# Altium PCB Gateway.PcbDoc (part 1 of 2)
Units mm, origin at the board's own origin, x right, y up, seen from the top; angles counter-clockwise.
Board outline 102.62 x 76.07 mm, 2 copper layers (Top Layer, Bottom Layer); 111 components, 97 nets, 483 pads, 101 vias.
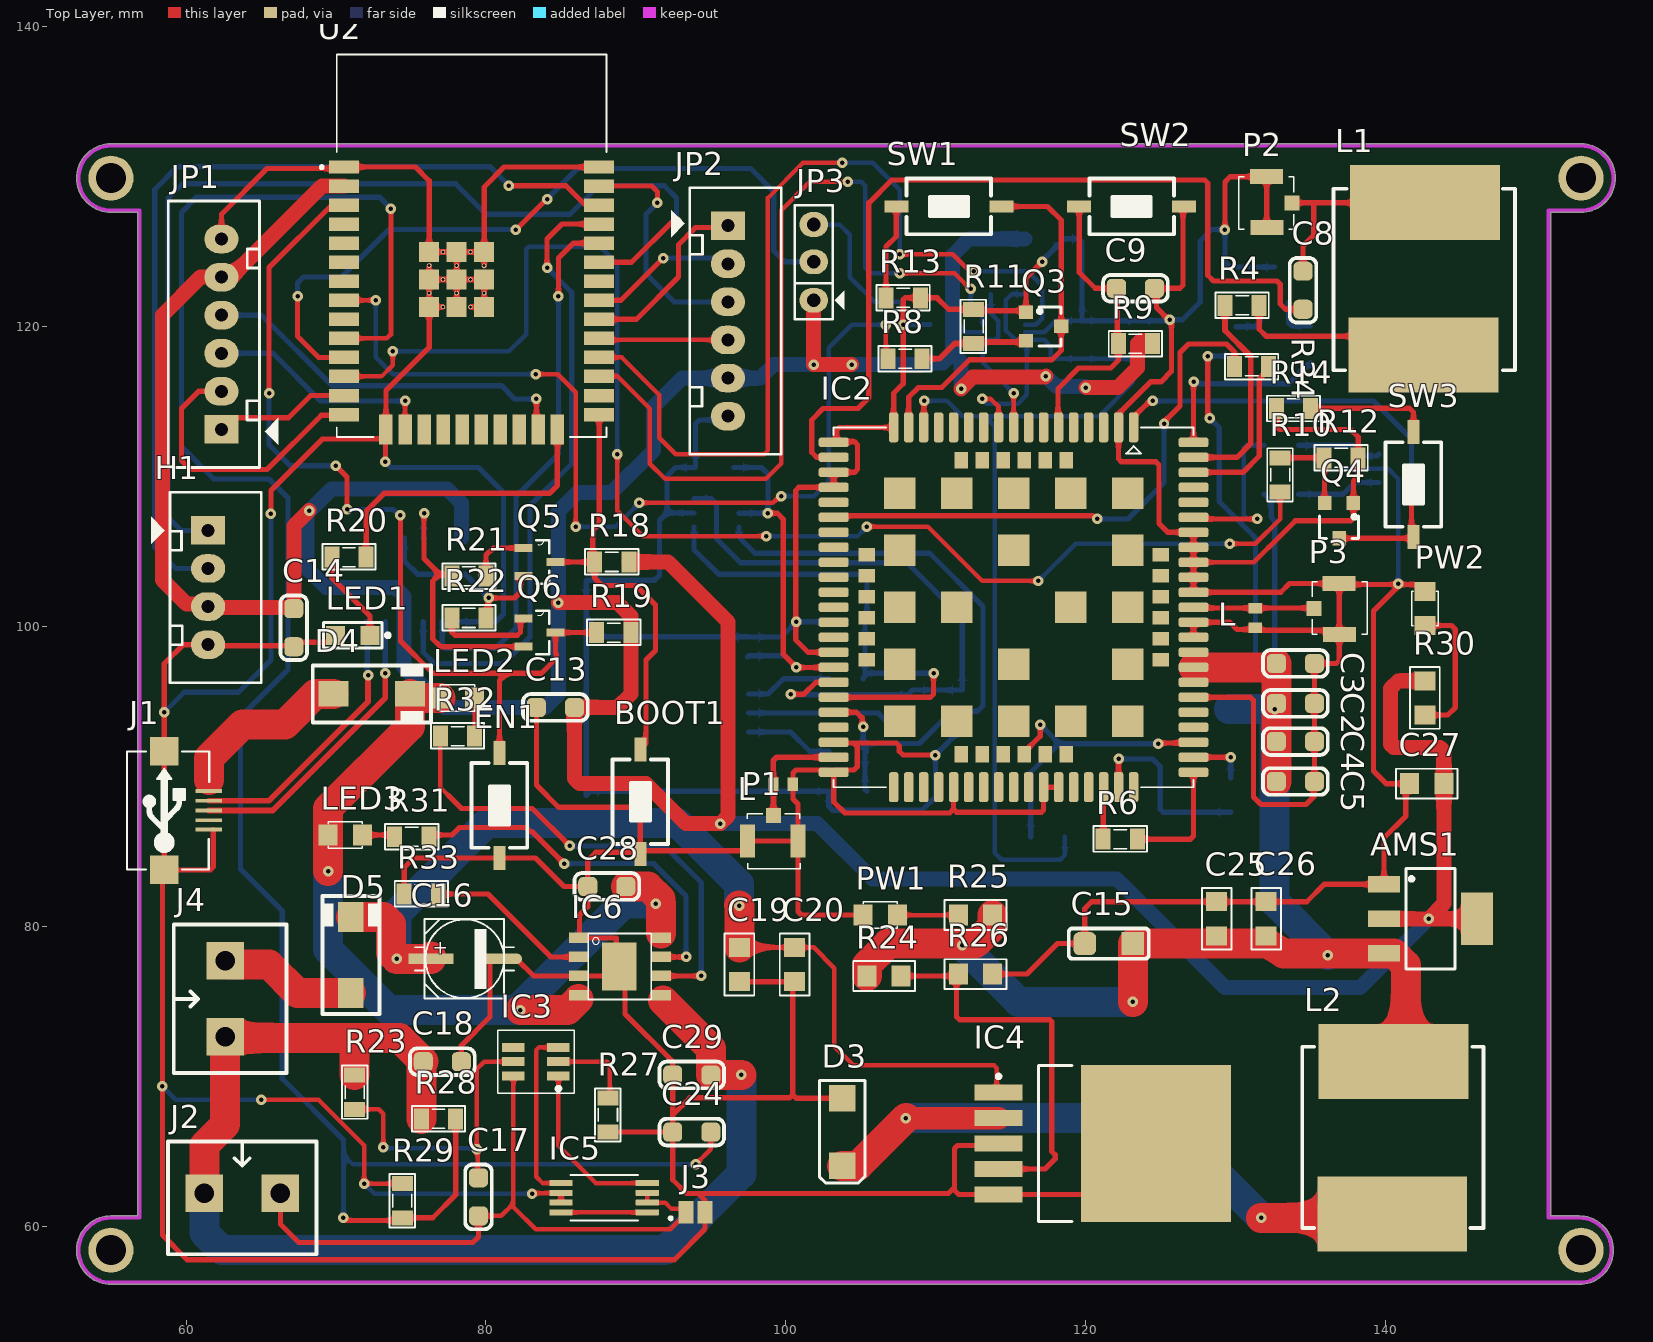
[diagram p0: Top Layer view]
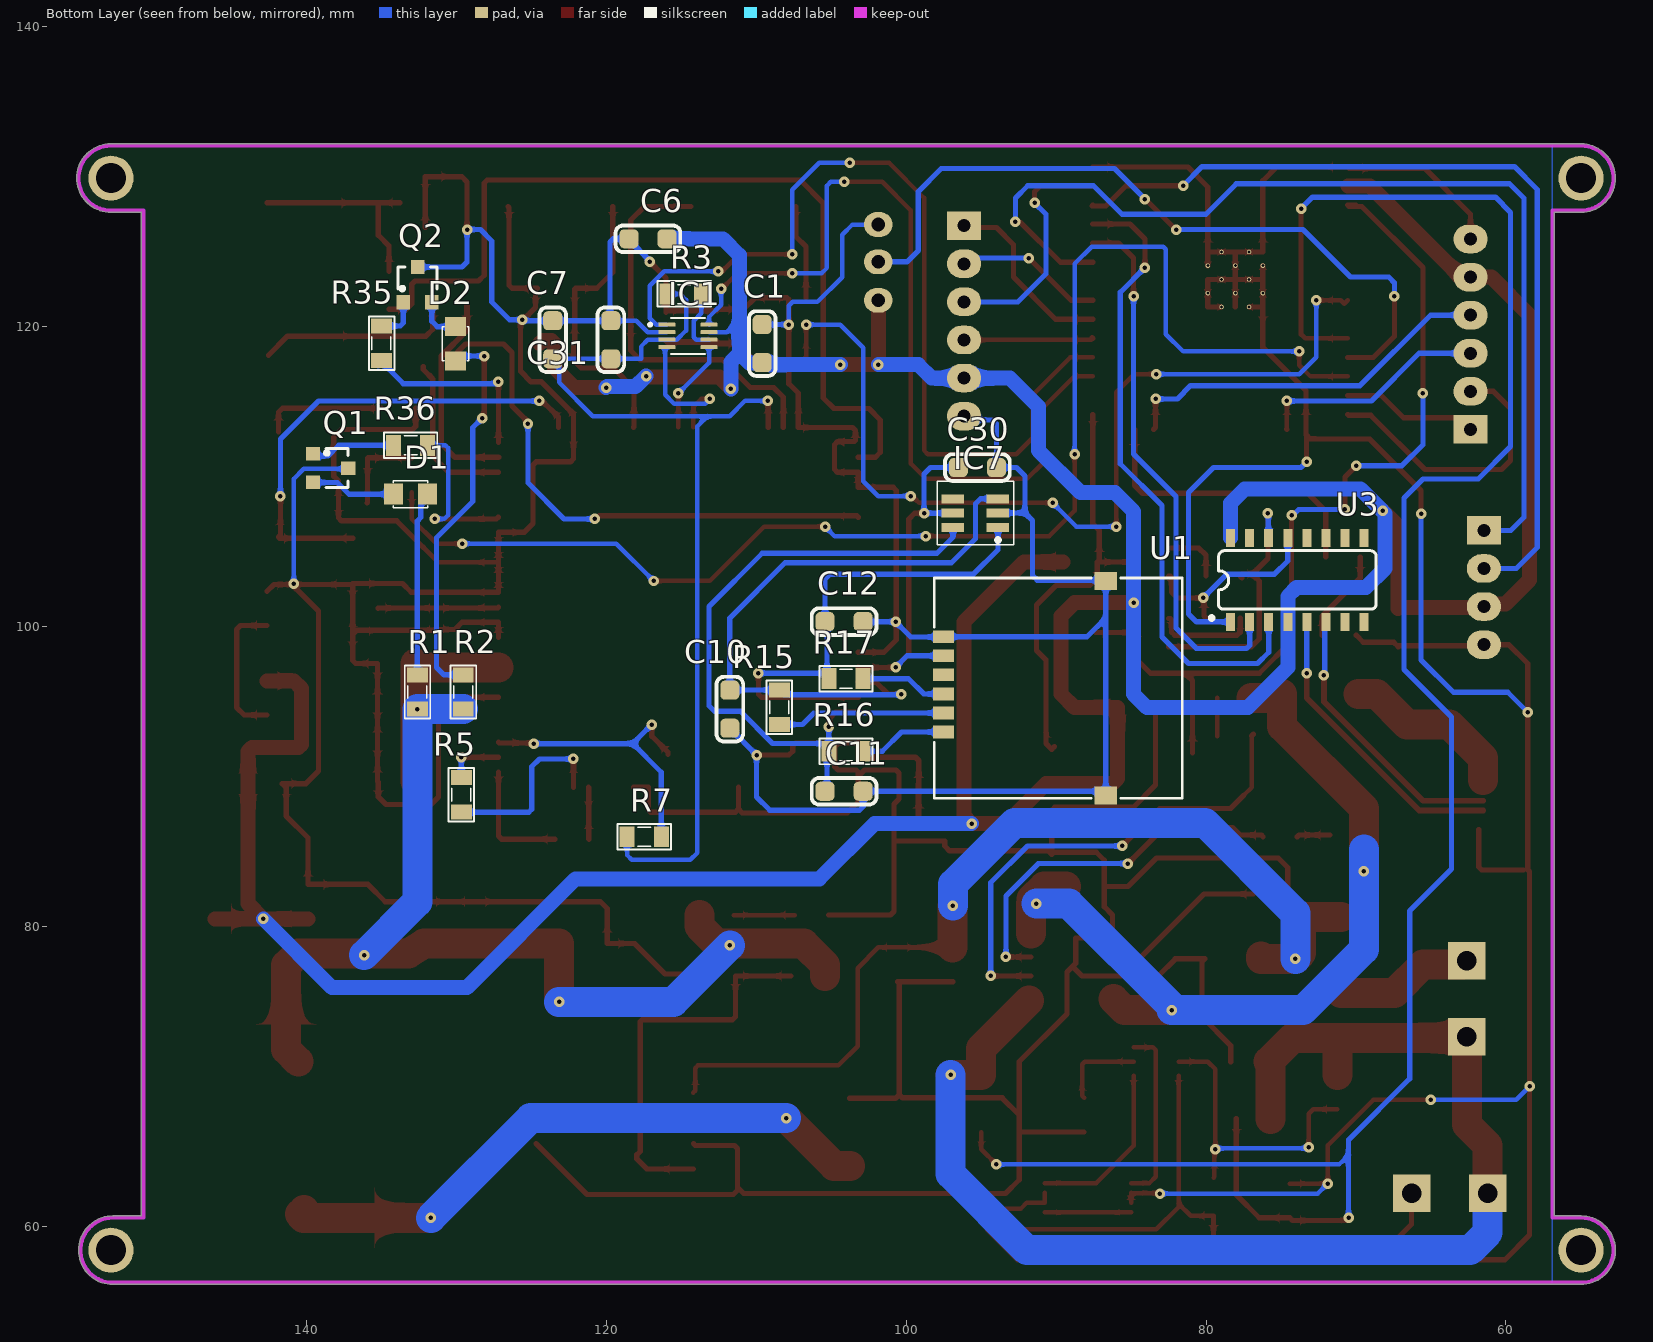
[diagram p1: Bottom Layer view, seen from below]

## Layer stack, top to bottom
Top Solder: solder mask 0.0102, Solder Resist, Dk 3.5
Top Layer: signal copper 0.0356
Dielectric 1: dielectric 0.32, FR-4, Dk 4.8
Bottom Layer: signal copper 0.0356
Bottom Solder: solder mask 0.0102, Solder Resist, Dk 3.5

## Board outline
54.991,56.134 54.992,56.134 150.876,56.134 152.908,56.134 ccw(c152.908,58.42) 155.194,58.42 ccw(c152.908,58.42) 152.908,60.706 ccw(c152.908,60.579) 152.844,60.689 ccw(c152.781,60.579) 152.781,60.706 151.003,60.706 151.003,127.585 ccw(c150.876,127.585) 151.003,127.586 151.003,127.635 153.035,127.635 ccw(c153.035,129.921) 155.321,129.921 ccw(c153.035,129.921) 153.035,132.207 55.245,132.207 54.991,132.207 ccw(c54.991,132.08) 54.99,132.207 ccw(c54.991,129.921) 54.991,127.635 56.769,127.635 56.769,60.706 54.991,60.706 ccw(c54.991,58.42)

## Design rules (kind name [scope] priority, off if disabled: settings)
Clearance [All] p1: gap=0.2 ignorepadtopadclearanceinfootprint=FALSE
DiffPairsRouting [All] p1: maxlimit=0.254 minlimit=0.254 mostfreqgap=0.254 toplayer_minwidth=0.381 toplayer_maxwidth=0.381 toplayer_prefwidth=0.381 bottomlayer_minwidth=0.381 bottomlayer_maxwidth=0.381 bottomlayer_prefwidth=0.381 maxuncoupledlength=12.7
PolygonConnect [All] p1: connectstyle=Relief reliefconductorwidth=0.254 reliefentries=4 polygonreliefangle="90 Angle" airgapwidth=0.254
RoutingVias [All] p1: holewidth=0.3 width=0.7 viastyle="Through Hole" minholewidth=0.3 minwidth=0.7 maxholewidth=0.3 maxwidth=0.7
SolderMaskExpansion [All] p1: expansion=0.102
Width [All] p1: maxlimit=2 minlimit=0.3 preferedwidth=0.35 minimp=50.000000 maximp=50.000000 favimp=50.000000
29 further rules are at their usual default settings.

## Classes and differential pairs
component class 3.4G: C1 C2 C3 C4 C5 C6 C7 C8 C9 C10 C11 C12 C30 C31 D1 D2 IC1 IC2 IC7 L L1 P1 P2 P3 Q1 Q2 Q3 Q4 R1 R2 R3 R4 R5 R6 R7 R8 R9 R10 R11 R12 R13 R14 R15 R16 R17 R34 R35 R36 SW1 SW2 SW3 U1
component class 2.MCU: BOOT1 C13 C14 D4 EN1 H1 J1 JP1 JP2 JP3 LED1 Q5 Q6 R18 R19 R20 R21 R22 U2 U3
component class 1.POWER: AMS1 C15 C16 C17 C18 C19 C20 C24 C25 C26 C27 C28 C29 D3 D5 IC3 IC4 IC5 IC6 J2 J3 J4 L2 LED2 LED3 PW1 PW2 R23 R24 R25 R26 R27 R28 R29 R30 R31 R32 R33
differential pair D0: +D0_P -D0_N

## Components (designator, comment, footprint, x,y, rotation, side; value= is the part's Value field where it differs from the comment)
AMS1 "AMS1117-3.3V" SOT223 143.002,80.518 r270 top value="AMS1117-3.3V SOT223"
BOOT1 "SW" SW-SMD 90.297,88.326 r270 top value="SW chip 2 pin"
C1 "100nF" CAP_0805 109.601,118.887 r270 bottom value=33p
C2 "100nF" CAP_0805 133.985,94.884 r180 top value=33p
C3 "10uF" CAP_0805 133.985,97.551 r180 top value=33p
C4 "100nF" CAP_0805 133.985,92.344 r180 top value=33p
C5 "100uF" CAP_0805 133.985,89.677 r180 top value=33p
C6 "104" CAP_0805 117.221,125.872 r180 bottom value=33p
C7 "104" CAP_0805 123.571,119.141 r270 bottom value=33p
C8 "33pF" CAP_0805 134.493,122.443 r90 top value=33p
C9 "100nF" CAP_0805 123.317,122.57 r180 top value=33p
C10 "22pF" CAP_0805 111.76,94.503 r270 bottom value=33p
C11 "22pF" CAP_0805 104.14,89.027 r180 bottom value=33p
C12 "22pF" CAP_0805 104.14,100.345 r180 bottom value=33p
C13 "100nF" CAP_0805 84.633,94.615 r180 top value=33p
C14 "1uF" CAP_0805 67.183,99.934 r270 top value=33p
C15 "220uF" CAP_TANTALUM_3216 121.539,78.867 r180 top
C16 "470uF/63V" CAP-ALU-SMD-C 78.613,77.851 r0 top value="Cap 470uF/63V"
C17 "100nF" CAP_0805 79.502,61.976 r90 top value=33p
C18 "100nF" CAP_0805 77.089,70.993 r180 top value=33p
C19 "4.7uF" C-0805 96.901,77.47 r90 top
C20 "4.7uF" C-0805 100.584,77.47 r90 top value=100nF
C24 "100nF" CAP_0805 93.726,66.294 r0 top value=33p
C25 "4.7uF" C-0805 128.736,80.518 r270 top
C26 "10nF" C-0805 132.038,80.518 r90 top value=10uF
C27 "10uF" C-0805 142.748,89.535 r180 top
C28 "100nF" CAP_0805 88.06,82.677 r180 top value=33p
C29 "100nF" CAP_0805 93.726,70.104 r0 top value=33p
C30 "104" CAP_0805 95.25,110.617 r0 bottom value=33p
C31 "10uF" CAP_0805 119.697,119.141 r270 bottom value=33p
D1 "NET" LED-0805-Blue 131.911,108.839 r0 bottom value="LED 3 ly Single Colour"
D2 "NET" LED-0805-Blue 130.048,117.729 r90 bottom value="LED 3 ly Single Colour"
D3 "Diode Zener" DIODE_ZENER_SMD 103.759,66.294 r270 top
D4 "M7" SMA 72.39,95.52 r0 top value=1N4007
D5 "M7" SMA 70.993,78.105 r90 top value=1N4007
EN1 "SW" SW-SMD 80.899,88.082 r270 top value="SW chip 2 pin"
H1 "Header 4P VH3.96 Duc Thang" CON4 61.468,106.426 r270 top
IC1 "TXB0102DCUR" SOP50P310X90-8N 114.554,119.395 r180 bottom
IC2 "SIM A7672S" A7672S 115.19,101.296 r270 top
IC3 "DW01A" SOT23-6 83.336,70.993 r180 top
IC4 "LM2596" TO-263 120.19,65.532 r0 top
IC5 "FS8205A" FS8205A 87.884,61.976 r180 top
IC6 "TP4056" TP4056 88.925,77.343 r0 top
IC7 "TPD4E001" SOT23-6 95.377,107.584 r0 bottom
J1 "USB-5" USB-M1 61.515,87.744 r90 top
J2 "JP2" KF2-5.08 63.754,62.23 r0 top
J3 "Jumper2" JUMPER2 94.615,60.945 r0 top
J4 "JP2" KF2-5.08 62.611,75.184 r90 top
JP1 "JP6 PIN" Header6 62.357,113.157 r90 top value=JP7
JP2 "JP6 PIN" Header6 96.139,126.746 r270 top value=JP7
JP3 "JP 1x3 2.54" JP3 101.854,124.311 r90 top
L "LXES15AAA1-153" INDC1005X45 99.822,89.488 r0 top
L "LXES15AAA1-153" INDC1005X45 131.318,100.584 r270 top
L1 "47uH" Inductor_SMD 136.525,117.109 r0 top value=220uH
L2 "33uH" Inductor_SMD 146.54,71.993 r180 top value=220uH
LED1 "LED3" LED0805 71.12,99.428 r180 top
LED2 "LED" LED-0805-Blue 76.962,95.25 r0 top value="LED 3 ly Single Colour"
LED3 "LED" LED-0805-Blue 69.469,86.106 r0 top value="LED 3 ly Single Colour"
P1 "IPX" IPXS 99.16,86.995 r90 top
P2 "IPX" IPXS 133.35,128.285 r0 top
P3 "IPX" IPXS 135.635,101.219 r180 top
PW1 "3V8" LED-0805-Blue 107.442,80.772 r180 top value=Red
PW2 "LED 0805" LED-0805-Blue 142.621,100.076 r90 top value=Red
Q1 "3904" SOT23 138.388,110.575 r270 bottom
Q2 "3904" SOT23 132.588,122.809 r180 bottom
Q3 "2SC1815" SOT23 117.19,120.03 r270 top value=C1815
Q4 "2SC1815" SOT23 136.906,107.076 r180 top value=C1815
Q5 "BC817" SOT95P240X97-3N 83.566,104.318 r0 top
Q6 "BC817" SOT95P240X97-3N 83.566,99.61 r0 top
R1 "1K" RES-SMD-0805 132.603,95.647 r90 bottom
R2 "1K" RES-SMD-0805 129.54,95.647 r90 bottom
R3 "1K" RES-SMD-0805 114.808,122.189 r0 bottom
R4 "10R" RES-SMD-0805 130.429,121.427 r180 top
R5 "10k" RES-SMD-0805 129.667,88.788 r270 bottom
R6 "10k" RES-SMD-0805 122.301,85.833 r180 top
R7 "0R" RES-SMD-0805 117.475,85.994 r180 bottom
R8 "4k7" RES-SMD-0805 107.95,117.871 r180 top value="R1/4W - 1K"
R9 "10k" RES-SMD-0805 123.317,118.887 r0 top
R10 "4k7" RES-SMD-0805 132.969,110.124 r270 top value="R1/4W - 1K"
R11 "47k" RES-SMD-0805 112.522,120.03 r270 top value="R1/4W - 1K"
R12 "47k" RES-SMD-0805 137.033,111.267 r180 top value="R1/4W - 1K"
R13 "10k" RES-SMD-0805 107.823,121.935 r180 top value="R1/4W - 1K"
R14 "10k" RES-SMD-0805 133.858,114.569 r0 top value="R1/4W - 1K"
R15 "22R" RES-SMD-0805 108.458,94.63 r270 bottom
R16 "22R" RES-SMD-0805 104.013,91.694 r180 bottom
R17 "22R" RES-SMD-0805 104.013,96.535 r180 bottom
R18 "10k" RES-SMD-0805 88.392,104.318 r180 top
R19 "10k" RES-SMD-0805 88.519,99.61 r180 top
R20 "1k" RES-SMD-0805 70.866,104.648 r180 top
R21 "10k" RES-SMD-0805 78.867,103.378 r0 top
R22 "10k" RES-SMD-0805 78.867,100.584 r180 top
R23 "0.1k" RES-SMD-0805 71.247,68.961 r90 top
R24 "10k" R-0805 106.553,76.708 r180 top
R25 "1k" R-0805 112.649,80.772 r180 top
R26 "4.7k" R-0805 112.649,76.835 r180 top value=3.3k
R27 "1k" RES-SMD-0805 88.138,67.437 r270 top
R28 "30k" RES-SMD-0805 76.835,67.183 r180 top
R29 "100k" RES-SMD-0805 74.422,61.722 r270 top
R30 "1k" R-0805 142.621,95.25 r90 top
R31 "1k" RES-SMD-0805 75.057,85.994 r0 top
R32 "1k" RES-SMD-0805 78.105,92.71 r180 top
R33 "1k2" RES-SMD-0805 75.692,82.169 r180 top
R34 "0R" RES-SMD-0805 131.064,117.363 r0 top
R35 "330R" RES-SMD-0805 135.001,118.91 r90 bottom
R36 "330R" RES-SMD-0805 133.054,112.099 r0 bottom
SW1 "SW" SW-SMD 110.871,128.031 r180 top value="SW chip 2 pin"
SW2 "SW" SW-SMD 123.063,128.031 r0 top value="SW chip 2 pin"
SW3 "SW" SW-SMD 141.859,109.489 r90 top value="SW chip 2 pin"
U1 "SIM-KF016" "SIM_MicroSIM 6P Flip" 92.099,95.9 r270 bottom value="Sim holder"
U2 "ESP32-WROOM-32" MODULE_ESP32-WROOM-32 79.048,125.401 r0 top
U3 "CH340C" SOP-16 73.914,103.124 r180 bottom

## Footprints (in the part's own frame and the unit in brackets; to place one, negate y for a bottom-side part, rotate by r counter-clockwise, add the part's x,y. Pads: shape width x height; smd on the part's side, far side on the other; paste and mask are expansions set on the pad)
A7672S [mm] "SIMCOM A7672S"
  rrect50% 2x0.635 smd: 1(-12,8) 2(-12,7) 3(-12,6) 4(-12,5) 5(-12,4) 6(-12,3) 7(-12,2) 8(-12,1) 9(-12,0) 10(-12,-1) 11(-12,-2) 12(-12,-3) 13(-12,-4) 14(-12,-5) 15(-12,-6) 16(-12,-7) 17(-12,-8) 35(12,-8) 36(12,-7) 37(12,-6) 38(12,-5) 39(12,-4) 40(12,-3) 41(12,-2) 42(12,-1) 43(12,0) 44(12,1) 45(12,2) 46(12,3) 47(12,4) 48(12,5) 49(12,6) 50(12,7) 51(12,8)
  rrect50% 0.635x2 smd: 18(-8,-12) 19(-7,-12) 20(-6,-12) 21(-5,-12) 22(-4,-12) 23(-3,-12) 24(-2,-12) 25(-1,-12) 26(0,-12) 27(1,-12) 28(2,-12) 29(3,-12) 30(4,-12) 31(5,-12) 32(6,-12) 33(7,-12) 34(8,-12) 52(8,12) 53(7,12) 54(6,12) 55(5,12) 56(4,12) 57(3,12) 58(2,12) 59(1,12) 60(0,12) 61(-1,12) 62(-2,12) 63(-3,12) 64(-4,12) 65(-5,12) 66(-6,12) 67(-7,12) 68(-8,12) 89(-11,-12) 90(-10,-12) 91(-9,-12) 92(9,-12) 93(10,-12) 94(11,-12) 95(11,12) 96(10,12) 97(9,12) 98(-9,12) 99(-10,12) 100(-11,12)
  rect 2.1x2.1 smd: 69(-7.6,7.6) 70(-7.6,3.8) 71(-7.6,0) 72(-7.6,-3.8) 73(-7.6,-7.6) 74(-3.8,-7.6) 75(0,-7.6) 76(3.8,-7.6) 77(7.6,-7.6) 78(7.6,-3.8) 79(7.6,0) 80(7.6,3.8) 81(7.6,7.6) 82(3.8,7.6) 83(0,7.6) 84(-3.8,7.6) 85(-3.8,0) 86(0,-3.8) 87(3.8,0) 88(0,3.8)
  rect 1.1x0.9 smd: 101(-9.8,3.5) 102(-9.8,2.1) 103(-9.8,0.7) 104(-9.8,-0.7) 105(-9.8,-2.1) 106(-9.8,-3.5) 113(9.8,-3.5) 114(9.8,-2.1) 115(9.8,-0.7) 116(9.8,0.7) 117(9.8,2.1) 118(9.8,3.5)
  rect 0.9x1.1 smd: 107(-3.5,-9.8) 108(-2.1,-9.8) 109(-0.7,-9.8) 110(0.7,-9.8) 111(2.1,-9.8) 112(3.5,-9.8) 119(3.5,9.8) 120(2.1,9.8) 121(0.7,9.8) 122(-0.7,9.8) 123(-2.1,9.8) 124(-3.5,9.8)
  silkscreen extent -12,-12 12,12, body extent -12,-12 12,12, height 2.6
C-0805 [mil] "Compoment SMD 80x50mil"
  rect 50x55 smd: 1(-45,0) 2(45,0)
  silkscreen extent -81,-39 81,39, body extent -40,-25 40,25, height 24
CAP-ALU-SMD-C [mm]
  rect 3x0.7 smd: 1(-2.286,0)
  oval 3x0.7 smd: 2(2.286,0)
  silkscreen extent -3.35,-2.65 3.28,2.65, body extent -2.95,-2.65 2.95,2.65, height 5.41
CAP_0805 [mm]
  rrect50% 1.27x1.27 smd: 1(-1.27,0) 2(1.27,0)
  silkscreen extent -2.16,-0.89 2.16,0.89, body extent -1.01,-0.64 1.01,0.64, height 0.61
CAP_TANTALUM_3216 [mil]
  rect 60x60 smd: 1(-62.99,0)
  rrect50% 60x60 smd: 2(62.99,0)
  silkscreen extent -105,-40 105,40, body extent -67,-35 67,35, height 67
CON4 [mil] "CON4"
  rect 75x90 hole 34: 1(0,0)
  oval 75x90 hole 34: 2(100,0) 3(200,0) 4(300,0)
  silkscreen extent -100,-150 400,140, body extent -90,-90 398,136, height 276
DIODE_ZENER_SMD [mil]
  rect 70x70 smd: 1(-88.58,0) 2(88.58,0)
  silkscreen extent -135,-60 134,60, body extent -69,-29 69,29, height 57
FS8205A [mm]
  rrect25% 1.56x0.4 smd: 1(-2.88,1.031) 2(-2.88,0.381) 3(-2.88,-0.269) 4(-2.88,-0.919) 5(2.88,-0.919) 6(2.88,-0.269) 7(2.88,0.381) 8(2.88,1.031)
  silkscreen extent -4.54,-1.46 2.25,1.57, body extent -3.2,-1.4 3.2,1.53, height 1.2
Header6 [mil] "CON6"
  rect 75x90 hole 34: 1(0,0)
  oval 75x90 hole 34: 2(100,0) 3(200,0) 4(300,0) 5(400,0) 6(500,0)
  silkscreen extent -100,-150 600,140
INDC1005X45 [mm]
  rect 0.7x0.9 smd: 1(-0.65,0) 2(0.65,0)
Inductor_SMD [mm]
  rect 10x5 smd: 1(6.096,11.176) 2(6,1)
  silkscreen extent 0,0 12.1,12.1, body extent 0.1,-0.2 12.1,12.14, height 7.15
IPXS [mm] "SOT 23 _ 1-3-2"
  rect 1x1 smd: 1(0.415,-0.01)
  rect 2.2x1 smd: 2(-1.273,-1.658) 3(-1.278,1.73)
  silkscreen extent -3.13,-1.79 0.53,1.73, body extent -2.83,-1.49 0.31,1.56, height 1.55
JP3 [mil] "Jumper 3"
  oval 65x75 hole 36: 1(-100,0) 2(1,0) 3(99,0)
  silkscreen extent -150,-81 150,50, body extent -150,-60 150,55, height 355
JUMPER2 [mil]
  rect 40x60 smd: 1(-50,0) 2(0,0)
KF2-5.08 [mm]
  rect 2.5x2.5 hole 1.3: 1(-2.54,0) 2(2.54,0)
  silkscreen extent -4.95,-4.08 4.95,3.43, body extent -5,-4.07 5,3.43, height 10
LED0805 [mil] "Chip Resistor; Body 2.0 x 1.3 mm (LxW typ)"
  rect 50x50 smd: 1(-45,0) 2(45,0)
  silkscreen extent -97,-33 77,33, body extent -60,-25 60,25, height 47
LED-0805-Blue [mil]
  rect 50x55 smd: 1(0,0) 2(90,0)
  silkscreen extent 0,-35 90,35, body extent 5,-25 85,25, height 43
MODULE_ESP32-WROOM-32 [mm]
  rect 2x0.9 smd: 1(-8.5,5.26) 2(-8.5,3.99) 3(-8.5,2.72) 4(-8.5,1.45) 5(-8.5,0.18) 6(-8.5,-1.09) 7(-8.5,-2.36) 8(-8.5,-3.63) 9(-8.5,-4.9) 10(-8.5,-6.17) 11(-8.5,-7.44) 12(-8.5,-8.71) 13(-8.5,-9.98) 14(-8.5,-11.25) 25(8.5,-11.25) 26(8.5,-9.98) 27(8.5,-8.71) 28(8.5,-7.44) 29(8.5,-6.17) 30(8.5,-4.9) 31(8.5,-3.63) 32(8.5,-2.36) 33(8.5,-1.09) 34(8.5,0.18) 35(8.5,1.45) 36(8.5,2.72) 37(8.5,3.99) 38(8.5,5.26)
  rect 0.9x2 smd: 15(-5.715,-12.25) 16(-4.445,-12.25) 17(-3.175,-12.25) 18(-1.905,-12.25) 19(-0.635,-12.25) 20(0.635,-12.25) 21(1.905,-12.25) 22(3.175,-12.25) 23(4.445,-12.25) 24(5.715,-12.25)
  rect 1.33x1.33 smd: 39_1(-2.835,-0.405) 39_2(-1,-0.405) 39_3(0.835,-0.405) 39_4(-2.835,-2.24) 39_5(-1,-2.24) 39_6(0.835,-2.24) 39_7(-2.835,-4.075) 39_8(-1,-4.075) 39_9(0.835,-4.075)
  round 0.3 hole 0.2: 39_10(-1.917,-0.405) 39_11(-0.082,-0.405) 39_12(-2.835,-1.322) 39_13(-1,-1.322) 39_14(0.835,-1.322) 39_15(-1.917,-2.24) 39_16(-0.082,-2.24) 39_17(-2.835,-3.157) 39_18(-1,-3.157) 39_19(0.835,-3.157) 39_20(-1.917,-4.075) 39_21(-0.082,-4.075)
  silkscreen extent -10.1,-12.75 9,12.75, body extent -10.54,-12.75 8.98,12.75, height 3.2
R-0805 [mil] "Compoment SMD 80x50mil"
  rect 50x55 smd: 1(-45,0) 2(45,0)
  silkscreen extent -81,-39 81,39, body extent -39,-25 39,25, height 31
RES-SMD-0805 [mil]
  rect 39.37x55 smd: 1(-45,0) 2(45,0)
  silkscreen extent -70,-34 70,33, body extent -39,-25 39,25, height 31
"SIM_MicroSIM 6P Flip" [mm]
  rect 0.85x1.4 smd: 1(-2.16,-5.415) 2(0.38,-5.415) 3(2.92,-5.415) 5(-3.43,-5.415) 6(-0.89,-5.415) 7(1.65,-5.415)
  rect 1.2x1.5 smd: 8(-7.15,5.415) 8(7.15,5.415)
  Top Layer pour cut-out: 3.683,-2.79 -4.293,-2.79 -4.293,1.96 3.683,1.96
  Top Layer pour cut-out: 3.683,8.788 -4.293,8.788 -4.293,4.039 3.683,4.039
  silkscreen extent -7.35,-6.02 7.35,10.52, body extent -7.61,-5.89 7.59,10.41, height 1.7
SMA [mm]
  rect 2x1.7 smd: 1(-2.544,0) 2(2.544,0)
  silkscreen extent -3.94,-1.9 3.94,1.91, body extent -2.87,-1.4 2.87,1.4, height 2.29
SOP50P310X90-8N [mm]
  rrect25% 1.12x0.27 smd: 1(-1.405,0.75) 2(-1.405,0.25) 3(-1.405,-0.25) 4(-1.405,-0.75) 5(1.405,-0.75) 6(1.405,-0.25) 7(1.405,0.25) 8(1.405,0.75)
  silkscreen extent -2.62,-1.2 1.15,1.2
SOP-16 [mm]
  rect 0.6x1.2 smd: 1(-4.445,-2.8) 2(-3.175,-2.8) 3(-1.905,-2.8) 4(-0.635,-2.8) 5(0.635,-2.8) 6(1.905,-2.8) 7(3.175,-2.8) 8(4.445,-2.8) 9(4.445,2.8) 10(3.175,2.8) 11(1.905,2.8) 12(0.635,2.8) 13(-0.635,2.8) 14(-1.905,2.8) 15(-3.175,2.8) 16(-4.445,2.8)
  silkscreen extent -5.84,-2.67 5.26,1.95, body extent -4.95,-3.47 4.95,3.47, height 1.75
SOT23 [mm] "SOT-23; 3 Leads; Body 3.1 x 2.5 mm, inc. leads (LxW max), Alternate Lead Configuration"
  rect 0.9x0.95 smd: 1(-0.95,-1.175) 2(0,1.175) 3(0.95,-1.175)
  silkscreen extent -1.3,-0.38 1.3,1.18
SOT23-6 [mm] "SOT23, 5-Leads, Body 3.0x3.0mm (max), Pitch 0.95mm, IPC Medium Density"
  rect 1.5x0.6 smd: 1(-1.5,0.95) 2(-1.5,0) 3(-1.5,-0.95) 4(1.5,-0.95) 5(1.5,0) 6(1.5,0.95)
  silkscreen extent -2.54,-2.11 2.54,2.11, body extent -1.75,-1.52 1.75,1.53, height 1.45
SOT95P240X97-3N [mil]
  rect 48x21 smd: 1(-42,37) 2(-42,-37) 3(42,0)
  silkscreen extent -9,-57 26,57
SOT223 [mm] "SOT-223/SC-73; 4 Leads; Body 6.7 x 7.3 mm, inc. leads (LxW max)"
  rect 1.1x2.15 smd: 1(-2.3,-3.1) 2(0,-3.1) 3(2.3,-3.1)
  rect 3.5x2.15 smd: 4(0,3.1)
  silkscreen extent -3.35,-1.63 3.35,1.63, body extent -3.43,-1.65 3.43,1.65, height 2.54
SW-SMD [mm] "Switch SMD type"
  rect 1.6x0.8 smd: 1(-3.5,0) 2(3.5,0)
  silkscreen extent -2.82,-1.85 2.82,1.85, body extent -3.05,-1.85 3.05,1.85, height 2.5
TO-263 [mm]
  rect 3.2x1.05 smd: 1(-6,3.4) 2(-6,1.7) 3(-6,0) 4(-6,-1.7) 5(-6,-3.4)
  rect 10x10.45 smd: 6(4.5,0)
  silkscreen extent -6.12,-5.2 -1.1,5.2, body extent -6.58,-5.2 7.57,5.2, height 4.65
TP4056 [mm]
  rect 1.3x0.7 smd: 1(-2.75,1.905) 2(-2.75,0.635) 3(-2.75,-0.635) 4(-2.75,-1.905) 5(2.75,-1.905) 6(2.75,-0.635) 7(2.75,0.635) 8(2.75,1.905)
  rect 2.3x3.2 smd: 3(-0.025,0)
  silkscreen extent -2.1,-2.2 2.1,2.2, body extent -3.13,-2.45 2.87,2.45, height 1.75
USB-M1 [mil]
  rect 10x70 smd: 1(51.18,0) 2(25.59,0) 3(0,0) 4(-25.59,0) 5(-50,0)
  rect 74.8x74.8 smd: 5(-155.51,116.84) 5(155.51,116.84)
  silkscreen extent -155,-1 155,215, body extent -157,5 158,218, height 107

## Part data
AMS1: library part "AMS1117 SMD", "Dán", Chung_Loai=Dán, Don_Vi=Con, Ma_Hang=MH000596
BOOT1 EN1 SW1 SW2 SW3: library part SW2, "Switch button 2 pin"
C1: library part CapSMD_5, "Capacitor", LatestRevisionDate=17-Jul-2002, LatestRevisionNote="Re-released for DXP Platform.", PackageReference=RAD-0.3, Published=8-Jun-2000, Publisher="Altium Limited"
C2 C3 C4 C5 C6 C7: library part CapSMD_9, "Capacitor", LatestRevisionDate=17-Jul-2002, LatestRevisionNote="Re-released for DXP Platform.", PackageReference=RAD-0.3, Published=8-Jun-2000, Publisher="Altium Limited"
C8 C31: library part CapSMD_1, "Capacitor", LatestRevisionDate=17-Jul-2002, LatestRevisionNote="Re-released for DXP Platform.", PackageReference=RAD-0.3, Published=8-Jun-2000, Publisher="Altium Limited"
C9 C10 C11 C12 C13 C14 C17 C18 C24 C28 C29 C30: library part CapSMD, "Capacitor", LatestRevisionDate=17-Jul-2002, LatestRevisionNote="Re-released for DXP Platform.", PackageReference=RAD-0.3, Published=8-Jun-2000, Publisher="Altium Limited"
C15: library part CP5, "220µF Molded Tantalum Polymer Capacitor 16V 2917 (7343 Metric) 40mOhm @ 100kHz", Manufacturer="AVX Corporation", Package=2917, Part Number=TCME227M016R0040E, Category=CAPACITOR, User_Description="CAP TANT POLY 220UF 16V 2917"
C16: library part CP3, "Cap 470uF/63V"
C19 C20 C25: library part C, "4.7µF ±10% 35V Ceramic Capacitor X5R 0805 (2012 Metric)", Manufacturer="Samsung Electro-Mechanics", Package=0805, Part Number=CL21A475KLCLQNC, Category=CAPACITOR, User_Description="CAP CER 4.7UF 35V X5R 0805"
C26 C27: library part C, "Cap SMD", Manufacturer="Samsung Electro-Mechanics", Package=0805, Part Number=CL21A106KPFNNNG, Category=CAPACITOR, User_Description="CAP CER 10UF 10V X5R 0805"
D1 D2: library part LED_2, "LED Single colour Green and Red"
D3: "Zener Diode", LatestRevisionDate=17-Jul-2002, LatestRevisionNote="Re-released for DXP Platform.", PackageReference=DIODE-0.7, Published=8-Jun-2000, Publisher="Altium Limited"
D4 D5: library part D1A, "Diode 1A"
H1: "C?m", Chung_Loai=C?m, Don_Vi=Con, Ma_Hang=MH001285, Ten_Linh_Kien="Header 4P XH2.54-4P Ð?c Th?ng"
IC1: "IC TRNSLTR BIDIRECTIONAL US8", Manufacturer="Texas Instruments", Package=8-VSSOP, Category="IC Logic Level", Part Number=TXB0102DCUR, User_Description="IC TRNSLTR BIDIRECTIONAL US8"
IC2: "SIM A7672S-CAT-M1", Part Number="SIM A7672S"
IC3: "One Cell Lithium-ion/Polymer Battery Protection IC"
IC4: library part LM2576, "LM2576"
IC6: "Complete single cell Li-Ion battery with a constant current / constant voltage linear charger"
IC7: library part TPD4E001_1, Manufacturer="Texas Instruments", Package=SOT-363, Part Number=TPD4E001RDBVR, Category="Circuit Protection", User_Description="TVS DIODE 5.5VWM SC70-6"
J1: Manufacturer=FCI, Manufacturer Part Number=10118193-0001LF, Supplier Part Number 1=609-4616-1-ND, .Checked PCB=RF, .Checked SCH=MM, .Creator=MM, Category="Connectors, Interconnects", ComponentLink1Description=http://portal.fciconnect.com/Comergent//fci/drawing/10118193.pdf, ComponentLink1URL=http://portal.fciconnect.com/Comergent//fci/drawing/10118193.pdf, Connector Type="USB - micro B", Features="Shielded, Solder Retention", Gender=Receptacle, Ingress Protection=-, Mounting Type="Surface Mount, Right Angle, Horizontal", Number of Contacts=5, Packaging="Cut Tape (CT)", Pricing 1="1=0.46, 10=0.433, 25=0.3712, 50=0.3156, 100=0.3032, 250=0.27224, 500=0.25988 (USD)", RoHS="RoHS Compliant", Specifications="USB 2.0", Stock 1=28642, Supplier 1=Digi-Key
J2 J4: "WR-PHD 2.54 mm Angled Socket Header", Manufacturer="W¨¹rth Elektronik eiSos GmbH", partNo=613002143121, ComponentLink1 Description=Manufacturer, ComponentLink1URL=http://www.we-online.com, ComponentLink2 Description=Datasheet, ComponentLink2URL=http://katalog.we-online.de/em/datasheet/6130xx143121.pdf, Created by="Karrer Zheng", Created Date="29 March 2013", NoPins=02
J3: "Jumper, 2-Pin"
JP1 JP2: library part JP6
JP3: library part "JP 1x3 2.54 Cai Thang", "C?m", Chung_Loai=C?m, Don_Vi=Con, Ma_Hang=MH004006, Ten_Linh_Kien="Jump Ðon Cái 2.54MM 1x20P Th?ng"
L L: "Clamp Ipp Tvs Diode Surface Mount 1005", Package="0402 Murata", Digi-Key_Part_Number=490-13210-1-ND, Digi-Key_Purchase_URL=https://www.digikey.kr/product-detail/en/murata-electronics/LXES15AAA1-153/490-13210-1-ND/5843764?utm_source=snapeda&utm_medium=aggregator&utm_campaign=symbol, MF=Murata, MP=LXES15AAA1-153, SnapEDA_Link=https://www.snapeda.com/parts/LXES15AAA1-153/Murata%20Electronics%20North%20America/view-part/653473/?ref=snap
L1 L2: library part L1, "22µH Shielded Inductor 1.65A 96mOhm Max Nonstandard", Manufacturer="Bourns Inc.", Package=SMD, Part Number=SRR0745A-220M, Category=INDUCTORS, User_Description="FIXED IND 22UH 1.65A 96 MOHM SMD"
LED1: library part LED0805, "LED SMD 0805"
LED2 LED3: "LED Single colour Green and Red"
P1 P2 P3: library part IPXSx66, "Antenna GSM GPS", Manufacturer="TE Connectivity AMP Connectors", Package=SMD, Part Number=2334884-1, Category=Connectors, User_Description="UMCC MICRO-COAX RECEPTACLE, GEN"
PW1 PW2: library part LED, "LED RED DIFFUSED 0805 SMD", Manufacturer="OSRAM Opto Semiconductors Inc.", Package=0805, Part Number="LS R976-NR-1", Category="LED SMD", User_Description="LED RED DIFFUSED 0805 SMD"
Q1 Q2: library part MMBT3904
Q3 Q4: "NPN 600mW, ECB", =C828
Q5 Q6: "Bipolar (BJT) Transistor NPN 45V 500mA 100MHz 250mW Surface Mount TO-236AB", Package="SOT-23-3 Rectron", Availability="In Stock", Check_prices=https://www.snapeda.com/parts/BC817/Rectron/view-part/?ref=eda, MF=Rectron, MP=BC817, Price=None, Purchase-URL=https://pricing.snapeda.com/search/part/BC817/?ref=eda, SnapEDA_Link=https://www.snapeda.com/parts/BC817/Rectron/view-part/?ref=snap
R1 R2 R3 R35 R36: library part "Resistor - SMD", "Resistor", Manufacturer="Generic Components", CLASS=Passive, Published=08/06/2000, Publisher="Altium Hobart Technology Centre"
R4 R5 R6 R7 R9 R15 R16 R17 R18 R19 R20 R21 R22 R23 R27 R28 R29 R31 R32 R33 R34: library part "Resistor - SMD", "Resistor SMD", Manufacturer="Generic Components", CLASS=Passive, Published=08/06/2000, Publisher="Altium Hobart Technology Centre"
R8 R10 R11 R12 R13 R14: library part R, "Resistor 1/4W"
R24: library part R, "RES SMD 10K OHM 1% 1/8W 0805", Manufacturer=Yageo, Package=0805, Part Number=RC0805FR-0710KL, Category=RESISTORS, User_Description="RES SMD 10K OHM 1% 1/8W 0805"
R25 R30: library part R, "Resistor 1/4W", Manufacturer=Yageo, Package=0805, Part Number=RC0805FR-071KL, Category=RESISTORS, User_Description="RES SMD 1K OHM 1% 1/8W 0805"
R26: library part R, "RES SMD 3.3K OHM 1% 1/8W 0805", Manufacturer=Yageo, Package=0805, Part Number=RC0805FR-073K3L, Category=RESISTORS, User_Description="RES SMD 3.3K OHM 1% 1/8W 0805"
U1: library part "Sim holder", "SIM Card Holder KF-016"
U2: "Bluetooth, WiFi 802.11b/g/n, Bluetooth v4.2 +EDR, Class 1, 2 and 3 Transceiver Module 2.4GHz ~ 2.5GHz Antenna Not Included, U.FL Surface Mount", Package="Module Espressif Systems", Availability="In Stock", Check_prices=https://www.snapeda.com/parts/ESP32-WROOM-32/Espressif+Systems/view-part/?ref=eda, MF="Espressif Systems", MP=ESP32-WROOM-32, Price=None, Purchase-URL=https://pricing.snapeda.com/search/part/ESP32-WROOM-32/?ref=eda, SnapEDA_Link=https://www.snapeda.com/parts/ESP32-WROOM-32/Espressif+Systems/view-part/?ref=snap
U3: "USB to serial chip CH340", Package=Package, Availability=Unavailable, Check_prices=https://www.snapeda.com/parts/CH340C/WCH/view-part/5428851/?ref=eda, MF=WCH, MP=CH340C, Price=None, SnapEDA_Link=https://www.snapeda.com/parts/CH340C/WCH/view-part/5428851/?ref=snap

## Free pads (board coordinates)
  round 3 hole 2: 0(54.991,58.42) 0(54.991,129.921) 0(153.035,58.42) 0(153.035,129.921)

## Via types
v1: diameter 0.7, hole 0.3, Top Layer to Bottom Layer, 101 vias

## Nets (pads, with @x,y where several pads share a name; then routed paths per layer and width w, separated by ;. In a path a pad name is that pad's centre, name@x,y a point inside that pad or via, vN(x,y) a via of type N, cw(c..) or ccw(c..) an arc to the next point about the centre after c; other vN are vias at no path point)
1V8: C7.2 C31.2 IC1.3 IC2.15 R3.2 R7.1 | length 68
  Top Layer w0.35: IC2.15@109.19,113.296 109.205,113.311 109.205,115.047 v1(109.22,115.062)
  Bottom Layer w0.3: v1(109.22,115.062) 110.744,115.062 111.76,114.046 113.247,114.046 ; IC1.3@115.944,119.13 115.304,119.13 114.681,119.753 114.681,121.793 115.077,122.189 R3.2@115.951,122.189 ; IC1.3@115.974,119.13 117.236,119.13 117.68,118.686 117.68,117.871 C31.2@119.697,117.871 C7.2@123.571,117.871 123.153,117.453 123.153,116.295 120.904,114.046 113.247,114.046 ; R7.1@118.618,85.994 118.618,84.771 118.303,84.455 114.395,84.455 113.919,84.931 113.919,113.374 113.247,114.046
3V3: AMS1.2 AMS1.4 C1.2 C6.2 C13.1 C14.1 C27.1 H1.3 IC1.7 JP1.5 JP2.5 JP3.1 R9.2 R18.1 R19.1 R30.2 U2.2 U3.4 U3.16 | length 305.8
  Top Layer w1: v1(68.199,107.741) 67.183,106.725 C14.1@67.183,101.204 67.112,101.275 61.539,101.275 H1.3@61.468,101.346 61.295,101.519 60.025,101.519 58.42,103.124 58.42,120.777 60.96,123.317 JP1.5@62.357,123.317 62.992,123.317 69.066,129.391 U2.2@70.548,129.391 ; v1(84.836,101.6) 88.773,101.6 89.662,100.711 R19.1@89.662,99.61 89.662,95.504 88.773,94.615 C13.1@85.903,94.615 85.903,89.865 86.233,89.535 90.678,89.535 93.345,86.868 v1(95.631,86.868) 96.139,87.376 96.139,100.33 92.151,104.318 R18.1@89.535,104.318 ; JP3.1@101.854,121.771 v1(101.854,117.475) v1(104.394,117.475) ; v1(111.69,115.87) 112.46,116.64 117.275,116.64 v1(117.348,116.713) ; v1(120.015,115.951) 122.141,115.951 123.444,117.254 123.444,118.875 123.649,119.08 124.267,119.08 R9.2@124.46,118.887 ; AMS1.2@139.902,80.518 v1(142.875,80.518) ; R30.2@142.621,96.393 140.843,96.393 140.335,95.885 140.335,92.153 140.54,91.948 143.637,91.948 143.891,91.694 C27.1@143.891,89.535 143.891,81.534 v1(142.875,80.518) ; AMS1.4@146.102,80.518 v1(142.875,80.518)
  Bottom Layer w0.3: 111.125,120.475 111.955,119.645 IC1.7@113.149,119.645
  Bottom Layer w1: v1@68.072,107.562 68.072,103.886 69.342,102.616 73.963,102.616 74.549,102.03 U3.4@74.549,100.324 74.549,97.282 77.216,94.615 83.947,94.615 84.836,95.504 v1(84.836,101.6) 84.836,107.696 86.085,108.945 88.371,108.945 91.186,111.76 91.186,114.681 93.091,116.586 JP2.5@96.139,116.586 98.298,116.586 99.187,117.475 v1(101.854,117.475) ; v1@68.225,107.715 69.699,109.189 77.423,109.189 78.359,108.253 U3.16@78.359,105.924 ; v1(95.631,86.868) 102.108,86.868 105.791,83.185 122.047,83.185 129.286,75.946 138.303,75.946 v1(142.875,80.518) ; v1(104.394,117.475) 109.459,117.475 C1.2@109.601,117.617 109.616,117.602 110.49,117.602 111.125,118.237 ; v1(111.69,115.87) 111.69,117.672 111.125,118.237 ; C6.2@115.951,125.872 112.219,125.872 111.125,124.778 111.125,120.475 111.125,118.237 ; v1(117.348,116.713) 118.046,116.014 119.951,116.014 v1(120.015,115.951)
3V8: AMS1.3 C2.2 C3.2 C4.2 C5.2 C15.1 C25.2 C26.1 IC2.55 IC2.56 IC2.57 L2.2 R1.1 R2.1 R24.2 R25.1 | length 87.3
  Top Layer w2: R24.2@105.41,76.708 105.41,77.453 106.824,78.867 112.632,78.867 113.792,80.027 R25.1@113.792,80.772 ; v1(123.139,74.981) C15.1@123.139,78.867 132.038,78.867 132.165,78.867 133.195,78.218 AMS1.3@139.902,78.218 140.564,78.218 141.351,77.431 141.351,71.804 L2.2@140.54,70.993 ; IC2.56@127.19,97.296 132.46,97.296 C3.2@132.715,97.551 C2.2@132.715,94.884 ; C5.2@132.715,89.677 C4.2@132.715,92.344 C2.2@132.715,94.504
  Bottom Layer w2: v1(111.76,78.74) 115.519,74.981 v1(123.139,74.981) ; R2.1@129.54,94.504 v1(132.603,94.504) 132.603,81.646 v1(136.144,78.105)
5V: C28.1 D4.2 IC6.4 IC6.8 LED2.1 LED3.1 | length 58.2
  Top Layer w2: v1(69.469,83.693) LED3.1@69.469,86.106 69.469,87.884 74.934,93.349 D4.2@74.934,95.25 ; D4.2@74.934,95.52 D4.2@74.934,95.25 ; LED2.1@76.962,95.25 D4.2@74.934,95.25 ; v1(82.296,74.422) 85.439,74.422 IC6.4@86.175,75.158 ; C28.1@89.33,82.677 90.805,82.677 91.63,81.852 ; IC6.8@91.675,79.528 91.675,81.534
  Bottom Layer w2: 69.469,85.153 v1(69.469,83.693) 69.469,78.486 73.533,74.422 v1(82.296,74.422) 82.296,74.676 89.154,81.534 v1(91.313,81.534)
ADC: JP3.2 U2.11 | length 49.7
  Top Layer w0.35: v1(67.437,122.047) 67.437,119.375 68.851,117.961 U2.11@70.548,117.961 ; v1(82,126.492) 82.021,126.492 84.053,128.524 v1(84.074,128.524)
  Bottom Layer w0.35: v1(67.437,122.047) 67.437,122.936 67.818,123.317 70.358,123.317 73.533,126.492 v1(82,126.492) ; v1(84.074,128.524) 86.106,130.556 97.663,130.556 99.187,129.032 99.187,125.095 99.945,124.337 JP3.2@101.854,124.337
CH340_RX: U2.35 U3.3 | length 42.4
  Top Layer w0.35: v1(84.074,123.952) 84.074,125.857 85.068,126.851 U2.35@87.548,126.851
  Bottom Layer w0.35: U3.3@75.819,100.324 75.819,98.298 76.566,97.551 81.168,97.551 82.931,99.314 82.931,108.077 85.725,110.871 85.725,122.301 v1(84.074,123.952)
CH340_TX: U2.34 U3.2 | length 36.1
  Top Layer w0.35: v1(84.836,122.047) 84.836,124.587 85.83,125.581 U2.34@87.548,125.581
  Bottom Layer w0.35: U3.2@77.089,100.324 77.089,98.757 77.294,98.552 80.645,98.552 82,99.907 82,108.686 84.836,111.522 v1(84.836,122.047)
CS: JP2.4 U2.29 | length 8.7
  Top Layer w0.3: U2.29@87.548,119.231 87.654,119.126 JP2.4@96.139,119.126
  Top Layer w0.35: U2.29@87.548,119.231 U2.29@87.598,119.281
CS2: JP1.4 U2.23 | length 25.4
  Top Layer w0.35: v1(83.363,115.189) 83.363,113.282 U2.23@83.493,113.151
  Bottom Layer w0.35: JP1.4@62.357,120.777 65.035,120.777 69.734,116.078 81.026,116.078 81.915,115.189 v1(83.363,115.189)
D0_N: J1.2 U3.6 | length 18.7
  Top Layer w0.381: J1.2@61.515,88.394 65.534,88.394 72.136,94.996 v1(72.136,96.774)
  Bottom Layer w0.381: U3.6@72.009,100.324 72.075,100.258 72.075,96.835 v1(72.136,96.774)
D0_P: J1.3 U3.5 | length 20
  Top Layer w0.381: J1.3@61.515,87.744 65.782,87.744 73.279,95.241 v1(73.279,96.901)
  Bottom Layer w0.381: v1(73.279,96.901) U3.5@73.279,100.324
D_N: IC2.28
D_P: IC2.27
DATA: IC2.5
EN: EN1.1 Q6.3 R19.2 U2.3 | length 61.2
  Top Layer w0.35: v1(65.532,115.57) 65.532,123.952 69.611,128.031 70.458,128.031 U2.3@70.548,128.121 U2.3@69.998,128.121 ; v1(69.977,110.744) 70.739,109.982 v1(70.739,107.823) ; v1(74.295,107.442) 74.295,99.06 76.454,96.901 81.407,96.901 ; EN1.1@80.899,91.582 80.899,96.393 81.407,96.901 ; R19.2@87.376,99.61 Q6.3@84.633,99.61 84.633,98.247 84.691,98.189 84.691,97.899 83.693,96.901 81.407,96.901
  Bottom Layer w0.35: v1(65.532,115.57) 65.532,112.141 66.929,110.744 v1(69.977,110.744) ; v1(70.739,107.823) 73.819,107.823 74.2,107.442 v1(74.295,107.442)